# KiCad board modulo_sensor-panel.kicad_pcb
title: (Panel)
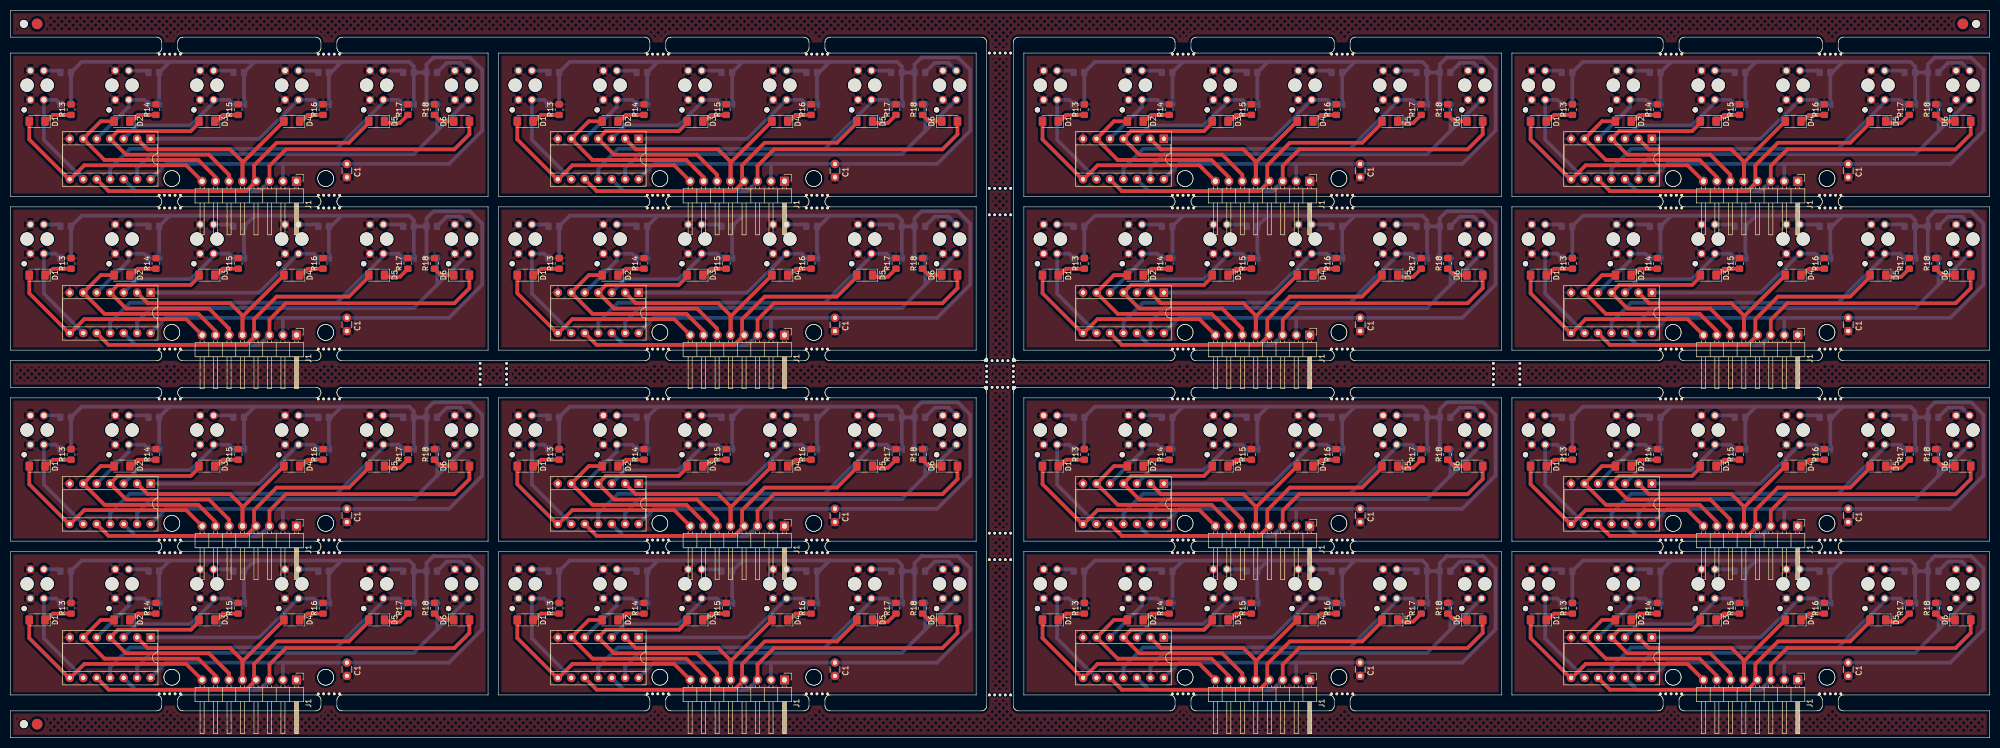
[diagram p0: board, top side]
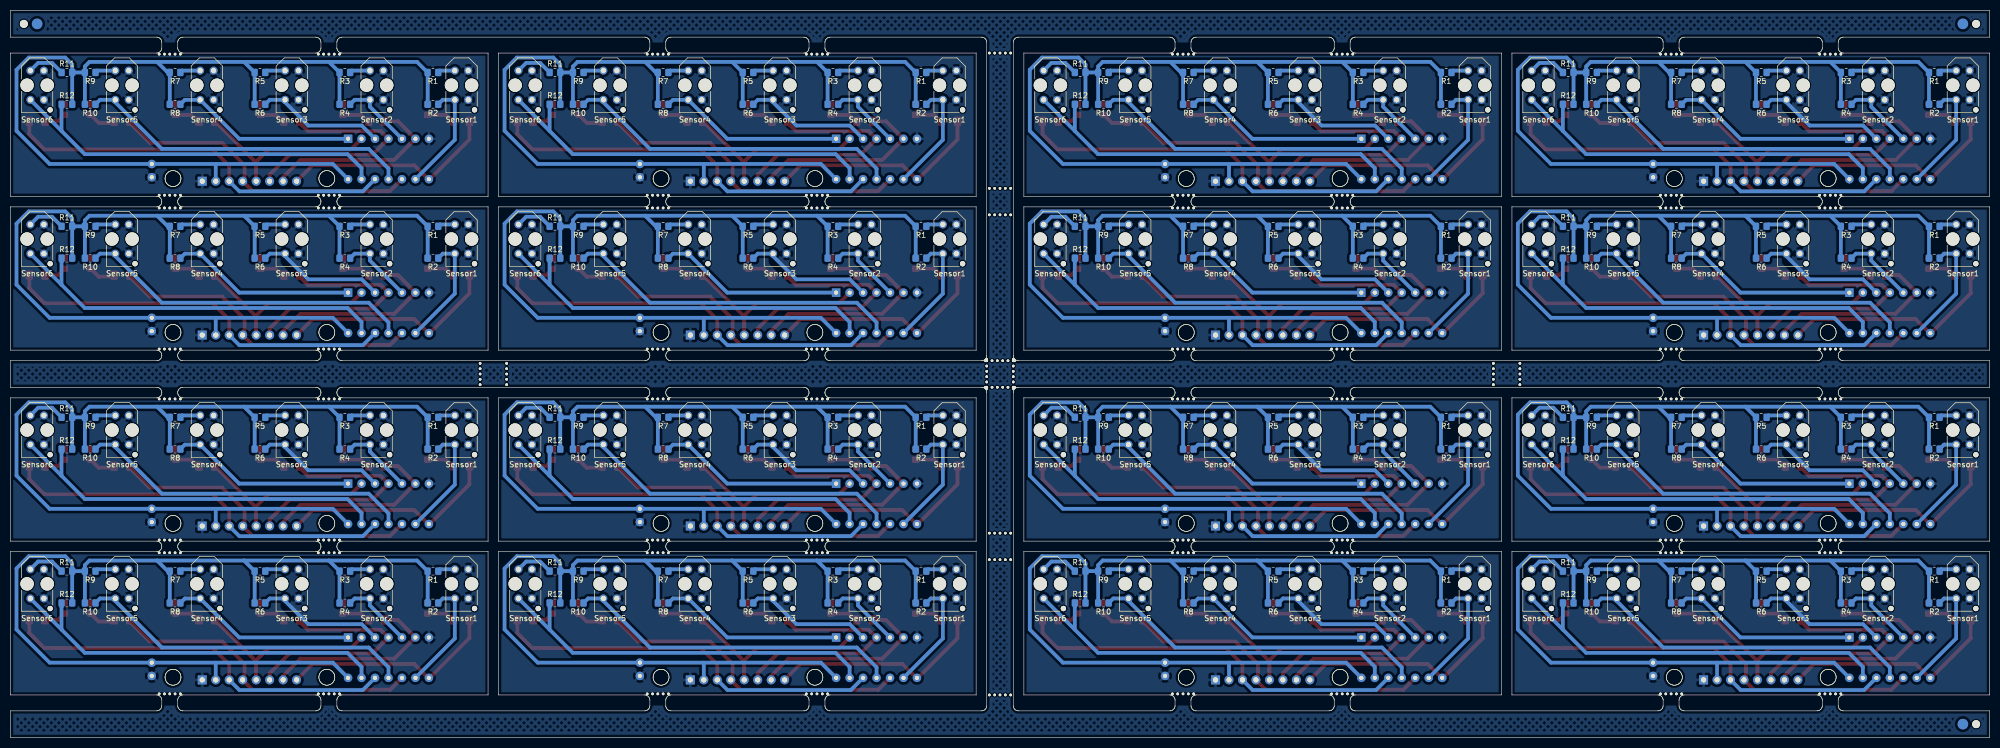
[diagram p1: board, bottom side, seen from below]

Outline 373 x 137 mm; copper layers: Top, Bottom. Coordinates in mm from the lower left corner of the outline.
Stack: Top 0.035mm / dielectric 1.51mm FR4 er 4.5 / Bottom 0.035mm

## Placement (name value [footprint] x y rotation side)
C1  10u1  [C_Disc_D3.0mm_W1.6mm_P2.50mm]  346.39 79.09 270 top
C1#2  10u1  [C_Disc_D3.0mm_W1.6mm_P2.50mm]  155.39 108.09 270 top
C1#3  10u1  [C_Disc_D3.0mm_W1.6mm_P2.50mm]  346.39 43.09 270 top
C1#4  10u1  [C_Disc_D3.0mm_W1.6mm_P2.50mm]  63.39 108.09 270 top
C1#5  10u1  [C_Disc_D3.0mm_W1.6mm_P2.50mm]  346.39 14.09 270 top
C1#6  10u1  [C_Disc_D3.0mm_W1.6mm_P2.50mm]  254.39 14.09 270 top
C1#7  10u1  [C_Disc_D3.0mm_W1.6mm_P2.50mm]  63.39 43.09 270 top
C1#8  10u1  [C_Disc_D3.0mm_W1.6mm_P2.50mm]  254.39 108.09 270 top
C1#9  10u1  [C_Disc_D3.0mm_W1.6mm_P2.50mm]  254.39 79.09 270 top
C1#10  10u1  [C_Disc_D3.0mm_W1.6mm_P2.50mm]  155.39 43.09 270 top
C1#11  10u1  [C_Disc_D3.0mm_W1.6mm_P2.50mm]  155.39 79.09 270 top
C1#12  10u1  [C_Disc_D3.0mm_W1.6mm_P2.50mm]  346.39 108.09 270 top
C1#13  10u1  [C_Disc_D3.0mm_W1.6mm_P2.50mm]  63.39 79.09 270 top
C1#14  10u1  [C_Disc_D3.0mm_W1.6mm_P2.50mm]  254.39 43.09 270 top
C1#15  10u1  [C_Disc_D3.0mm_W1.6mm_P2.50mm]  63.39 14.09 270 top
C1#16  10u1  [C_Disc_D3.0mm_W1.6mm_P2.50mm]  155.39 14.09 270 top
D1  LED  [LED_1206_3216Metric_Pad1.42x1.75mm_HandSolder]  288 87.14 180 top
D1#2  LED  [LED_1206_3216Metric_Pad1.42x1.75mm_HandSolder]  5 116.14 180 top
D1#3  LED  [LED_1206_3216Metric_Pad1.42x1.75mm_HandSolder]  97 87.14 180 top
D1#4  LED  [LED_1206_3216Metric_Pad1.42x1.75mm_HandSolder]  5 22.14 180 top
D1#5  LED  [LED_1206_3216Metric_Pad1.42x1.75mm_HandSolder]  97 22.14 180 top
D1#6  LED  [LED_1206_3216Metric_Pad1.42x1.75mm_HandSolder]  196 51.14 180 top
D1#7  LED  [LED_1206_3216Metric_Pad1.42x1.75mm_HandSolder]  5 51.14 180 top
D1#8  LED  [LED_1206_3216Metric_Pad1.42x1.75mm_HandSolder]  196 116.14 180 top
D1#9  LED  [LED_1206_3216Metric_Pad1.42x1.75mm_HandSolder]  97 116.14 180 top
D1#10  LED  [LED_1206_3216Metric_Pad1.42x1.75mm_HandSolder]  196 87.14 180 top
D1#11  LED  [LED_1206_3216Metric_Pad1.42x1.75mm_HandSolder]  97 51.14 180 top
D1#12  LED  [LED_1206_3216Metric_Pad1.42x1.75mm_HandSolder]  288 51.14 180 top
D1#13  LED  [LED_1206_3216Metric_Pad1.42x1.75mm_HandSolder]  196 22.14 180 top
D1#14  LED  [LED_1206_3216Metric_Pad1.42x1.75mm_HandSolder]  5 87.14 180 top
D1#15  LED  [LED_1206_3216Metric_Pad1.42x1.75mm_HandSolder]  288 22.14 180 top
D1#16  LED  [LED_1206_3216Metric_Pad1.42x1.75mm_HandSolder]  288 116.14 180 top
D2  LED  [LED_1206_3216Metric_Pad1.42x1.75mm_HandSolder]  304 22.14 180 top
D2#2  LED  [LED_1206_3216Metric_Pad1.42x1.75mm_HandSolder]  212 87.14 180 top
D2#3  LED  [LED_1206_3216Metric_Pad1.42x1.75mm_HandSolder]  113 87.14 180 top
D2#4  LED  [LED_1206_3216Metric_Pad1.42x1.75mm_HandSolder]  21 22.14 180 top
D2#5  LED  [LED_1206_3216Metric_Pad1.42x1.75mm_HandSolder]  212 116.14 180 top
D2#6  LED  [LED_1206_3216Metric_Pad1.42x1.75mm_HandSolder]  304 87.14 180 top
D2#7  LED  [LED_1206_3216Metric_Pad1.42x1.75mm_HandSolder]  212 51.14 180 top
D2#8  LED  [LED_1206_3216Metric_Pad1.42x1.75mm_HandSolder]  21 51.14 180 top
D2#9  LED  [LED_1206_3216Metric_Pad1.42x1.75mm_HandSolder]  212 22.14 180 top
D2#10  LED  [LED_1206_3216Metric_Pad1.42x1.75mm_HandSolder]  21 87.14 180 top
D2#11  LED  [LED_1206_3216Metric_Pad1.42x1.75mm_HandSolder]  304 116.14 180 top
D2#12  LED  [LED_1206_3216Metric_Pad1.42x1.75mm_HandSolder]  21 116.14 180 top
D2#13  LED  [LED_1206_3216Metric_Pad1.42x1.75mm_HandSolder]  113 22.14 180 top
D2#14  LED  [LED_1206_3216Metric_Pad1.42x1.75mm_HandSolder]  113 51.14 180 top
D2#15  LED  [LED_1206_3216Metric_Pad1.42x1.75mm_HandSolder]  113 116.14 180 top
D2#16  LED  [LED_1206_3216Metric_Pad1.42x1.75mm_HandSolder]  304 51.14 180 top
D3  LED  [LED_1206_3216Metric_Pad1.42x1.75mm_HandSolder]  37 22.14 180 top
D3#2  LED  [LED_1206_3216Metric_Pad1.42x1.75mm_HandSolder]  228 22.14 180 top
D3#3  LED  [LED_1206_3216Metric_Pad1.42x1.75mm_HandSolder]  37 116.14 180 top
D3#4  LED  [LED_1206_3216Metric_Pad1.42x1.75mm_HandSolder]  37 51.14 180 top
D3#5  LED  [LED_1206_3216Metric_Pad1.42x1.75mm_HandSolder]  37 87.14 180 top
D3#6  LED  [LED_1206_3216Metric_Pad1.42x1.75mm_HandSolder]  320 116.14 180 top
D3#7  LED  [LED_1206_3216Metric_Pad1.42x1.75mm_HandSolder]  228 87.14 180 top
D3#8  LED  [LED_1206_3216Metric_Pad1.42x1.75mm_HandSolder]  320 51.14 180 top
D3#9  LED  [LED_1206_3216Metric_Pad1.42x1.75mm_HandSolder]  320 22.14 180 top
D3#10  LED  [LED_1206_3216Metric_Pad1.42x1.75mm_HandSolder]  129 22.14 180 top
D3#11  LED  [LED_1206_3216Metric_Pad1.42x1.75mm_HandSolder]  129 87.14 180 top
D3#12  LED  [LED_1206_3216Metric_Pad1.42x1.75mm_HandSolder]  129 51.14 180 top
D3#13  LED  [LED_1206_3216Metric_Pad1.42x1.75mm_HandSolder]  228 116.14 180 top
D3#14  LED  [LED_1206_3216Metric_Pad1.42x1.75mm_HandSolder]  320 87.14 180 top
D3#15  LED  [LED_1206_3216Metric_Pad1.42x1.75mm_HandSolder]  228 51.14 180 top
D3#16  LED  [LED_1206_3216Metric_Pad1.42x1.75mm_HandSolder]  129 116.14 180 top
D4  LED  [LED_1206_3216Metric_Pad1.42x1.75mm_HandSolder]  336 116.14 180 top
D4#2  LED  [LED_1206_3216Metric_Pad1.42x1.75mm_HandSolder]  53 51.14 180 top
D4#3  LED  [LED_1206_3216Metric_Pad1.42x1.75mm_HandSolder]  244 87.14 180 top
D4#4  LED  [LED_1206_3216Metric_Pad1.42x1.75mm_HandSolder]  244 22.14 180 top
D4#5  LED  [LED_1206_3216Metric_Pad1.42x1.75mm_HandSolder]  53 116.14 180 top
D4#6  LED  [LED_1206_3216Metric_Pad1.42x1.75mm_HandSolder]  145 116.14 180 top
D4#7  LED  [LED_1206_3216Metric_Pad1.42x1.75mm_HandSolder]  145 87.14 180 top
D4#8  LED  [LED_1206_3216Metric_Pad1.42x1.75mm_HandSolder]  336 51.14 180 top
D4#9  LED  [LED_1206_3216Metric_Pad1.42x1.75mm_HandSolder]  145 22.14 180 top
D4#10  LED  [LED_1206_3216Metric_Pad1.42x1.75mm_HandSolder]  336 87.14 180 top
D4#11  LED  [LED_1206_3216Metric_Pad1.42x1.75mm_HandSolder]  336 22.14 180 top
D4#12  LED  [LED_1206_3216Metric_Pad1.42x1.75mm_HandSolder]  53 22.14 180 top
D4#13  LED  [LED_1206_3216Metric_Pad1.42x1.75mm_HandSolder]  244 51.14 180 top
D4#14  LED  [LED_1206_3216Metric_Pad1.42x1.75mm_HandSolder]  53 87.14 180 top
D4#15  LED  [LED_1206_3216Metric_Pad1.42x1.75mm_HandSolder]  244 116.14 180 top
D4#16  LED  [LED_1206_3216Metric_Pad1.42x1.75mm_HandSolder]  145 51.14 180 top
D5  LED  [LED_1206_3216Metric_Pad1.42x1.75mm_HandSolder]  161 51.14 180 top
D5#2  LED  [LED_1206_3216Metric_Pad1.42x1.75mm_HandSolder]  161 22.14 180 top
D5#3  LED  [LED_1206_3216Metric_Pad1.42x1.75mm_HandSolder]  260 116.14 180 top
D5#4  LED  [LED_1206_3216Metric_Pad1.42x1.75mm_HandSolder]  260 22.14 180 top
D5#5  LED  [LED_1206_3216Metric_Pad1.42x1.75mm_HandSolder]  352 87.14 180 top
D5#6  LED  [LED_1206_3216Metric_Pad1.42x1.75mm_HandSolder]  352 51.14 180 top
D5#7  LED  [LED_1206_3216Metric_Pad1.42x1.75mm_HandSolder]  352 116.14 180 top
D5#8  LED  [LED_1206_3216Metric_Pad1.42x1.75mm_HandSolder]  161 116.14 180 top
D5#9  LED  [LED_1206_3216Metric_Pad1.42x1.75mm_HandSolder]  69 116.14 180 top
D5#10  LED  [LED_1206_3216Metric_Pad1.42x1.75mm_HandSolder]  260 87.14 180 top
D5#11  LED  [LED_1206_3216Metric_Pad1.42x1.75mm_HandSolder]  260 51.14 180 top
D5#12  LED  [LED_1206_3216Metric_Pad1.42x1.75mm_HandSolder]  69 87.14 180 top
D5#13  LED  [LED_1206_3216Metric_Pad1.42x1.75mm_HandSolder]  69 22.14 180 top
D5#14  LED  [LED_1206_3216Metric_Pad1.42x1.75mm_HandSolder]  69 51.14 180 top
D5#15  LED  [LED_1206_3216Metric_Pad1.42x1.75mm_HandSolder]  161 87.14 180 top
D5#16  LED  [LED_1206_3216Metric_Pad1.42x1.75mm_HandSolder]  352 22.14 180 top
D6  LED  [LED_1206_3216Metric_Pad1.42x1.75mm_HandSolder]  177 87.14 0 top
D6#2  LED  [LED_1206_3216Metric_Pad1.42x1.75mm_HandSolder]  276 87.14 0 top
D6#3  LED  [LED_1206_3216Metric_Pad1.42x1.75mm_HandSolder]  85 116.14 0 top
D6#4  LED  [LED_1206_3216Metric_Pad1.42x1.75mm_HandSolder]  368 87.14 0 top
D6#5  LED  [LED_1206_3216Metric_Pad1.42x1.75mm_HandSolder]  85 87.14 0 top
D6#6  LED  [LED_1206_3216Metric_Pad1.42x1.75mm_HandSolder]  177 116.14 0 top
D6#7  LED  [LED_1206_3216Metric_Pad1.42x1.75mm_HandSolder]  177 51.14 0 top
D6#8  LED  [LED_1206_3216Metric_Pad1.42x1.75mm_HandSolder]  368 116.14 0 top
D6#9  LED  [LED_1206_3216Metric_Pad1.42x1.75mm_HandSolder]  177 22.14 0 top
D6#10  LED  [LED_1206_3216Metric_Pad1.42x1.75mm_HandSolder]  276 22.14 0 top
D6#11  LED  [LED_1206_3216Metric_Pad1.42x1.75mm_HandSolder]  85 51.14 0 top
D6#12  LED  [LED_1206_3216Metric_Pad1.42x1.75mm_HandSolder]  276 116.14 0 top
D6#13  LED  [LED_1206_3216Metric_Pad1.42x1.75mm_HandSolder]  368 51.14 0 top
D6#14  LED  [LED_1206_3216Metric_Pad1.42x1.75mm_HandSolder]  85 22.14 0 top
D6#15  LED  [LED_1206_3216Metric_Pad1.42x1.75mm_HandSolder]  276 51.14 0 top
D6#16  LED  [LED_1206_3216Metric_Pad1.42x1.75mm_HandSolder]  368 22.14 0 top
J1  Conn_01x08_Pin  [PinHeader_1x08_P2.54mm_Horizontal]  244.88 39.84 270 top
J1#2  Conn_01x08_Pin  [PinHeader_1x08_P2.54mm_Horizontal]  53.88 75.84 270 top
J1#3  Conn_01x08_Pin  [PinHeader_1x08_P2.54mm_Horizontal]  145.88 39.84 270 top
J1#4  Conn_01x08_Pin  [PinHeader_1x08_P2.54mm_Horizontal]  145.88 10.84 270 top
J1#5  Conn_01x08_Pin  [PinHeader_1x08_P2.54mm_Horizontal]  244.88 75.84 270 top
J1#6  Conn_01x08_Pin  [PinHeader_1x08_P2.54mm_Horizontal]  145.88 104.84 270 top
J1#7  Conn_01x08_Pin  [PinHeader_1x08_P2.54mm_Horizontal]  244.88 10.84 270 top
J1#8  Conn_01x08_Pin  [PinHeader_1x08_P2.54mm_Horizontal]  53.88 39.84 270 top
J1#9  Conn_01x08_Pin  [PinHeader_1x08_P2.54mm_Horizontal]  336.88 75.84 270 top
J1#10  Conn_01x08_Pin  [PinHeader_1x08_P2.54mm_Horizontal]  145.88 75.84 270 top
J1#11  Conn_01x08_Pin  [PinHeader_1x08_P2.54mm_Horizontal]  336.88 10.84 270 top
J1#12  Conn_01x08_Pin  [PinHeader_1x08_P2.54mm_Horizontal]  53.88 104.84 270 top
J1#13  Conn_01x08_Pin  [PinHeader_1x08_P2.54mm_Horizontal]  336.88 39.84 270 top
J1#14  Conn_01x08_Pin  [PinHeader_1x08_P2.54mm_Horizontal]  336.88 104.84 270 top
J1#15  Conn_01x08_Pin  [PinHeader_1x08_P2.54mm_Horizontal]  244.88 104.84 270 top
J1#16  Conn_01x08_Pin  [PinHeader_1x08_P2.54mm_Horizontal]  53.88 10.84 270 top
KiKit_FID_B_1  -  [Fiducial]  5 134.5 180 bottom
KiKit_FID_B_2  -  [Fiducial]  368 134.5 180 bottom
KiKit_FID_B_3  -  [Fiducial]  5 2.5 180 bottom
KiKit_FID_T_1  -  [Fiducial]  5 134.5 0 top
KiKit_FID_T_2  -  [Fiducial]  368 134.5 0 top
KiKit_FID_T_3  -  [Fiducial]  5 2.5 0 top
KiKit_MB_1_1  -  [NPTH]  28 128.8 0 top
KiKit_MB_1_2  -  [NPTH]  29 128.8 0 top
KiKit_MB_1_3  -  [NPTH]  30 128.8 0 top
KiKit_MB_1_4  -  [NPTH]  31 128.8 0 top
KiKit_MB_1_5  -  [NPTH]  32 128.8 0 top
KiKit_MB_2_1  -  [NPTH]  58 128.8 0 top
KiKit_MB_2_2  -  [NPTH]  59 128.8 0 top
KiKit_MB_2_3  -  [NPTH]  60 128.8 0 top
KiKit_MB_2_4  -  [NPTH]  61 128.8 0 top
KiKit_MB_2_5  -  [NPTH]  62 128.8 0 top
KiKit_MB_3_1  -  [NPTH]  32 102.2 0 top
KiKit_MB_3_2  -  [NPTH]  31 102.2 0 top
KiKit_MB_3_3  -  [NPTH]  30 102.2 0 top
KiKit_MB_3_4  -  [NPTH]  29 102.2 0 top
KiKit_MB_3_5  -  [NPTH]  28 102.2 0 top
KiKit_MB_4_1  -  [NPTH]  62 102.2 0 top
KiKit_MB_4_2  -  [NPTH]  61 102.2 0 top
KiKit_MB_4_3  -  [NPTH]  60 102.2 0 top
KiKit_MB_4_4  -  [NPTH]  59 102.2 0 top
KiKit_MB_4_5  -  [NPTH]  58 102.2 0 top
KiKit_MB_5_1  -  [NPTH]  120 128.8 0 top
KiKit_MB_5_2  -  [NPTH]  121 128.8 0 top
KiKit_MB_5_3  -  [NPTH]  122 128.8 0 top
KiKit_MB_5_4  -  [NPTH]  123 128.8 0 top
KiKit_MB_5_5  -  [NPTH]  124 128.8 0 top
KiKit_MB_6_1  -  [NPTH]  150 128.8 0 top
KiKit_MB_6_2  -  [NPTH]  151 128.8 0 top
KiKit_MB_6_3  -  [NPTH]  152 128.8 0 top
KiKit_MB_6_4  -  [NPTH]  153 128.8 0 top
KiKit_MB_6_5  -  [NPTH]  154 128.8 0 top
KiKit_MB_7_1  -  [NPTH]  124 102.2 0 top
KiKit_MB_7_2  -  [NPTH]  123 102.2 0 top
KiKit_MB_7_3  -  [NPTH]  122 102.2 0 top
KiKit_MB_7_4  -  [NPTH]  121 102.2 0 top
KiKit_MB_7_5  -  [NPTH]  120 102.2 0 top
KiKit_MB_8_1  -  [NPTH]  154 102.2 0 top
KiKit_MB_8_2  -  [NPTH]  153 102.2 0 top
KiKit_MB_8_3  -  [NPTH]  152 102.2 0 top
KiKit_MB_8_4  -  [NPTH]  151 102.2 0 top
KiKit_MB_8_5  -  [NPTH]  150 102.2 0 top
KiKit_MB_9_1  -  [NPTH]  219 128.8 0 top
KiKit_MB_9_2  -  [NPTH]  220 128.8 0 top
KiKit_MB_9_3  -  [NPTH]  221 128.8 0 top
KiKit_MB_9_4  -  [NPTH]  222 128.8 0 top
KiKit_MB_9_5  -  [NPTH]  223 128.8 0 top
KiKit_MB_10_1  -  [NPTH]  249 128.8 0 top
KiKit_MB_10_2  -  [NPTH]  250 128.8 0 top
KiKit_MB_10_3  -  [NPTH]  251 128.8 0 top
KiKit_MB_10_4  -  [NPTH]  252 128.8 0 top
KiKit_MB_10_5  -  [NPTH]  253 128.8 0 top
KiKit_MB_11_1  -  [NPTH]  223 102.2 0 top
KiKit_MB_11_2  -  [NPTH]  222 102.2 0 top
KiKit_MB_11_3  -  [NPTH]  221 102.2 0 top
KiKit_MB_11_4  -  [NPTH]  220 102.2 0 top
KiKit_MB_11_5  -  [NPTH]  219 102.2 0 top
KiKit_MB_12_1  -  [NPTH]  253 102.2 0 top
KiKit_MB_12_2  -  [NPTH]  252 102.2 0 top
KiKit_MB_12_3  -  [NPTH]  251 102.2 0 top
KiKit_MB_12_4  -  [NPTH]  250 102.2 0 top
KiKit_MB_12_5  -  [NPTH]  249 102.2 0 top
KiKit_MB_13_1  -  [NPTH]  311 128.8 0 top
KiKit_MB_13_2  -  [NPTH]  312 128.8 0 top
KiKit_MB_13_3  -  [NPTH]  313 128.8 0 top
KiKit_MB_13_4  -  [NPTH]  314 128.8 0 top
KiKit_MB_13_5  -  [NPTH]  315 128.8 0 top
KiKit_MB_14_1  -  [NPTH]  341 128.8 0 top
KiKit_MB_14_2  -  [NPTH]  342 128.8 0 top
KiKit_MB_14_3  -  [NPTH]  343 128.8 0 top
KiKit_MB_14_4  -  [NPTH]  344 128.8 0 top
KiKit_MB_14_5  -  [NPTH]  345 128.8 0 top
KiKit_MB_15_1  -  [NPTH]  315 102.2 0 top
KiKit_MB_15_2  -  [NPTH]  314 102.2 0 top
KiKit_MB_15_3  -  [NPTH]  313 102.2 0 top
KiKit_MB_15_4  -  [NPTH]  312 102.2 0 top
KiKit_MB_15_5  -  [NPTH]  311 102.2 0 top
KiKit_MB_16_1  -  [NPTH]  345 102.2 0 top
KiKit_MB_16_2  -  [NPTH]  344 102.2 0 top
KiKit_MB_16_3  -  [NPTH]  343 102.2 0 top
KiKit_MB_16_4  -  [NPTH]  342 102.2 0 top
KiKit_MB_16_5  -  [NPTH]  341 102.2 0 top
KiKit_MB_17_1  -  [NPTH]  28 99.8 0 top
KiKit_MB_17_2  -  [NPTH]  29 99.8 0 top
KiKit_MB_17_3  -  [NPTH]  30 99.8 0 top
KiKit_MB_17_4  -  [NPTH]  31 99.8 0 top
KiKit_MB_17_5  -  [NPTH]  32 99.8 0 top
KiKit_MB_18_1  -  [NPTH]  58 99.8 0 top
KiKit_MB_18_2  -  [NPTH]  59 99.8 0 top
KiKit_MB_18_3  -  [NPTH]  60 99.8 0 top
KiKit_MB_18_4  -  [NPTH]  61 99.8 0 top
KiKit_MB_18_5  -  [NPTH]  62 99.8 0 top
KiKit_MB_19_1  -  [NPTH]  32 73.2 0 top
KiKit_MB_19_2  -  [NPTH]  31 73.2 0 top
KiKit_MB_19_3  -  [NPTH]  30 73.2 0 top
KiKit_MB_19_4  -  [NPTH]  29 73.2 0 top
KiKit_MB_19_5  -  [NPTH]  28 73.2 0 top
KiKit_MB_20_1  -  [NPTH]  62 73.2 0 top
KiKit_MB_20_2  -  [NPTH]  61 73.2 0 top
KiKit_MB_20_3  -  [NPTH]  60 73.2 0 top
KiKit_MB_20_4  -  [NPTH]  59 73.2 0 top
KiKit_MB_20_5  -  [NPTH]  58 73.2 0 top
KiKit_MB_21_1  -  [NPTH]  120 99.8 0 top
KiKit_MB_21_2  -  [NPTH]  121 99.8 0 top
KiKit_MB_21_3  -  [NPTH]  122 99.8 0 top
KiKit_MB_21_4  -  [NPTH]  123 99.8 0 top
KiKit_MB_21_5  -  [NPTH]  124 99.8 0 top
KiKit_MB_22_1  -  [NPTH]  150 99.8 0 top
KiKit_MB_22_2  -  [NPTH]  151 99.8 0 top
KiKit_MB_22_3  -  [NPTH]  152 99.8 0 top
KiKit_MB_22_4  -  [NPTH]  153 99.8 0 top
KiKit_MB_22_5  -  [NPTH]  154 99.8 0 top
KiKit_MB_23_1  -  [NPTH]  124 73.2 0 top
KiKit_MB_23_2  -  [NPTH]  123 73.2 0 top
KiKit_MB_23_3  -  [NPTH]  122 73.2 0 top
KiKit_MB_23_4  -  [NPTH]  121 73.2 0 top
KiKit_MB_23_5  -  [NPTH]  120 73.2 0 top
KiKit_MB_24_1  -  [NPTH]  154 73.2 0 top
KiKit_MB_24_2  -  [NPTH]  153 73.2 0 top
KiKit_MB_24_3  -  [NPTH]  152 73.2 0 top
KiKit_MB_24_4  -  [NPTH]  151 73.2 0 top
KiKit_MB_24_5  -  [NPTH]  150 73.2 0 top
KiKit_MB_25_1  -  [NPTH]  219 99.8 0 top
KiKit_MB_25_2  -  [NPTH]  220 99.8 0 top
KiKit_MB_25_3  -  [NPTH]  221 99.8 0 top
KiKit_MB_25_4  -  [NPTH]  222 99.8 0 top
KiKit_MB_25_5  -  [NPTH]  223 99.8 0 top
KiKit_MB_26_1  -  [NPTH]  249 99.8 0 top
KiKit_MB_26_2  -  [NPTH]  250 99.8 0 top
KiKit_MB_26_3  -  [NPTH]  251 99.8 0 top
KiKit_MB_26_4  -  [NPTH]  252 99.8 0 top
KiKit_MB_26_5  -  [NPTH]  253 99.8 0 top
KiKit_MB_27_1  -  [NPTH]  223 73.2 0 top
KiKit_MB_27_2  -  [NPTH]  222 73.2 0 top
KiKit_MB_27_3  -  [NPTH]  221 73.2 0 top
KiKit_MB_27_4  -  [NPTH]  220 73.2 0 top
KiKit_MB_27_5  -  [NPTH]  219 73.2 0 top
KiKit_MB_28_1  -  [NPTH]  253 73.2 0 top
KiKit_MB_28_2  -  [NPTH]  252 73.2 0 top
KiKit_MB_28_3  -  [NPTH]  251 73.2 0 top
KiKit_MB_28_4  -  [NPTH]  250 73.2 0 top
KiKit_MB_28_5  -  [NPTH]  249 73.2 0 top
KiKit_MB_29_1  -  [NPTH]  311 99.8 0 top
KiKit_MB_29_2  -  [NPTH]  312 99.8 0 top
KiKit_MB_29_3  -  [NPTH]  313 99.8 0 top
KiKit_MB_29_4  -  [NPTH]  314 99.8 0 top
KiKit_MB_29_5  -  [NPTH]  315 99.8 0 top
KiKit_MB_30_1  -  [NPTH]  341 99.8 0 top
KiKit_MB_30_2  -  [NPTH]  342 99.8 0 top
KiKit_MB_30_3  -  [NPTH]  343 99.8 0 top
KiKit_MB_30_4  -  [NPTH]  344 99.8 0 top
KiKit_MB_30_5  -  [NPTH]  345 99.8 0 top
KiKit_MB_31_1  -  [NPTH]  315 73.2 0 top
KiKit_MB_31_2  -  [NPTH]  314 73.2 0 top
KiKit_MB_31_3  -  [NPTH]  313 73.2 0 top
KiKit_MB_31_4  -  [NPTH]  312 73.2 0 top
KiKit_MB_31_5  -  [NPTH]  311 73.2 0 top
KiKit_MB_32_1  -  [NPTH]  345 73.2 0 top
KiKit_MB_32_2  -  [NPTH]  344 73.2 0 top
KiKit_MB_32_3  -  [NPTH]  343 73.2 0 top
KiKit_MB_32_4  -  [NPTH]  342 73.2 0 top
KiKit_MB_32_5  -  [NPTH]  341 73.2 0 top
KiKit_MB_33_1  -  [NPTH]  28 63.8 0 top
KiKit_MB_33_2  -  [NPTH]  29 63.8 0 top
KiKit_MB_33_3  -  [NPTH]  30 63.8 0 top
KiKit_MB_33_4  -  [NPTH]  31 63.8 0 top
KiKit_MB_33_5  -  [NPTH]  32 63.8 0 top
KiKit_MB_34_1  -  [NPTH]  58 63.8 0 top
KiKit_MB_34_2  -  [NPTH]  59 63.8 0 top
KiKit_MB_34_3  -  [NPTH]  60 63.8 0 top
KiKit_MB_34_4  -  [NPTH]  61 63.8 0 top
KiKit_MB_34_5  -  [NPTH]  62 63.8 0 top
KiKit_MB_35_1  -  [NPTH]  32 37.2 0 top
KiKit_MB_35_2  -  [NPTH]  31 37.2 0 top
KiKit_MB_35_3  -  [NPTH]  30 37.2 0 top
KiKit_MB_35_4  -  [NPTH]  29 37.2 0 top
KiKit_MB_35_5  -  [NPTH]  28 37.2 0 top
KiKit_MB_36_1  -  [NPTH]  62 37.2 0 top
KiKit_MB_36_2  -  [NPTH]  61 37.2 0 top
KiKit_MB_36_3  -  [NPTH]  60 37.2 0 top
KiKit_MB_36_4  -  [NPTH]  59 37.2 0 top
KiKit_MB_36_5  -  [NPTH]  58 37.2 0 top
KiKit_MB_37_1  -  [NPTH]  120 63.8 0 top
KiKit_MB_37_2  -  [NPTH]  121 63.8 0 top
KiKit_MB_37_3  -  [NPTH]  122 63.8 0 top
KiKit_MB_37_4  -  [NPTH]  123 63.8 0 top
KiKit_MB_37_5  -  [NPTH]  124 63.8 0 top
KiKit_MB_38_1  -  [NPTH]  150 63.8 0 top
KiKit_MB_38_2  -  [NPTH]  151 63.8 0 top
KiKit_MB_38_3  -  [NPTH]  152 63.8 0 top
KiKit_MB_38_4  -  [NPTH]  153 63.8 0 top
KiKit_MB_38_5  -  [NPTH]  154 63.8 0 top
KiKit_MB_39_1  -  [NPTH]  124 37.2 0 top
KiKit_MB_39_2  -  [NPTH]  123 37.2 0 top
KiKit_MB_39_3  -  [NPTH]  122 37.2 0 top
KiKit_MB_39_4  -  [NPTH]  121 37.2 0 top
KiKit_MB_39_5  -  [NPTH]  120 37.2 0 top
KiKit_MB_40_1  -  [NPTH]  154 37.2 0 top
KiKit_MB_40_2  -  [NPTH]  153 37.2 0 top
KiKit_MB_40_3  -  [NPTH]  152 37.2 0 top
KiKit_MB_40_4  -  [NPTH]  151 37.2 0 top
KiKit_MB_40_5  -  [NPTH]  150 37.2 0 top
KiKit_MB_41_1  -  [NPTH]  219 63.8 0 top
KiKit_MB_41_2  -  [NPTH]  220 63.8 0 top
KiKit_MB_41_3  -  [NPTH]  221 63.8 0 top
KiKit_MB_41_4  -  [NPTH]  222 63.8 0 top
KiKit_MB_41_5  -  [NPTH]  223 63.8 0 top
KiKit_MB_42_1  -  [NPTH]  249 63.8 0 top
KiKit_MB_42_2  -  [NPTH]  250 63.8 0 top
KiKit_MB_42_3  -  [NPTH]  251 63.8 0 top
KiKit_MB_42_4  -  [NPTH]  252 63.8 0 top
KiKit_MB_42_5  -  [NPTH]  253 63.8 0 top
KiKit_MB_43_1  -  [NPTH]  223 37.2 0 top
KiKit_MB_43_2  -  [NPTH]  222 37.2 0 top
KiKit_MB_43_3  -  [NPTH]  221 37.2 0 top
KiKit_MB_43_4  -  [NPTH]  220 37.2 0 top
KiKit_MB_43_5  -  [NPTH]  219 37.2 0 top
KiKit_MB_44_1  -  [NPTH]  253 37.2 0 top
KiKit_MB_44_2  -  [NPTH]  252 37.2 0 top
KiKit_MB_44_3  -  [NPTH]  251 37.2 0 top
KiKit_MB_44_4  -  [NPTH]  250 37.2 0 top
KiKit_MB_44_5  -  [NPTH]  249 37.2 0 top
KiKit_MB_45_1  -  [NPTH]  311 63.8 0 top
KiKit_MB_45_2  -  [NPTH]  312 63.8 0 top
KiKit_MB_45_3  -  [NPTH]  313 63.8 0 top
KiKit_MB_45_4  -  [NPTH]  314 63.8 0 top
KiKit_MB_45_5  -  [NPTH]  315 63.8 0 top
KiKit_MB_46_1  -  [NPTH]  341 63.8 0 top
KiKit_MB_46_2  -  [NPTH]  342 63.8 0 top
KiKit_MB_46_3  -  [NPTH]  343 63.8 0 top
KiKit_MB_46_4  -  [NPTH]  344 63.8 0 top
KiKit_MB_46_5  -  [NPTH]  345 63.8 0 top
KiKit_MB_47_1  -  [NPTH]  315 37.2 0 top
KiKit_MB_47_2  -  [NPTH]  314 37.2 0 top
KiKit_MB_47_3  -  [NPTH]  313 37.2 0 top
KiKit_MB_47_4  -  [NPTH]  312 37.2 0 top
KiKit_MB_47_5  -  [NPTH]  311 37.2 0 top
KiKit_MB_48_1  -  [NPTH]  345 37.2 0 top
KiKit_MB_48_2  -  [NPTH]  344 37.2 0 top
KiKit_MB_48_3  -  [NPTH]  343 37.2 0 top
KiKit_MB_48_4  -  [NPTH]  342 37.2 0 top
KiKit_MB_48_5  -  [NPTH]  341 37.2 0 top
KiKit_MB_49_1  -  [NPTH]  28 34.8 0 top
KiKit_MB_49_2  -  [NPTH]  29 34.8 0 top
KiKit_MB_49_3  -  [NPTH]  30 34.8 0 top
KiKit_MB_49_4  -  [NPTH]  31 34.8 0 top
KiKit_MB_49_5  -  [NPTH]  32 34.8 0 top
KiKit_MB_50_1  -  [NPTH]  58 34.8 0 top
KiKit_MB_50_2  -  [NPTH]  59 34.8 0 top
KiKit_MB_50_3  -  [NPTH]  60 34.8 0 top
KiKit_MB_50_4  -  [NPTH]  61 34.8 0 top
KiKit_MB_50_5  -  [NPTH]  62 34.8 0 top
KiKit_MB_51_1  -  [NPTH]  32 8.2 0 top
KiKit_MB_51_2  -  [NPTH]  31 8.2 0 top
KiKit_MB_51_3  -  [NPTH]  30 8.2 0 top
KiKit_MB_51_4  -  [NPTH]  29 8.2 0 top
KiKit_MB_51_5  -  [NPTH]  28 8.2 0 top
KiKit_MB_52_1  -  [NPTH]  62 8.2 0 top
KiKit_MB_52_2  -  [NPTH]  61 8.2 0 top
KiKit_MB_52_3  -  [NPTH]  60 8.2 0 top
KiKit_MB_52_4  -  [NPTH]  59 8.2 0 top
KiKit_MB_52_5  -  [NPTH]  58 8.2 0 top
KiKit_MB_53_1  -  [NPTH]  120 34.8 0 top
KiKit_MB_53_2  -  [NPTH]  121 34.8 0 top
KiKit_MB_53_3  -  [NPTH]  122 34.8 0 top
KiKit_MB_53_4  -  [NPTH]  123 34.8 0 top
KiKit_MB_53_5  -  [NPTH]  124 34.8 0 top
KiKit_MB_54_1  -  [NPTH]  150 34.8 0 top
KiKit_MB_54_2  -  [NPTH]  151 34.8 0 top
KiKit_MB_54_3  -  [NPTH]  152 34.8 0 top
KiKit_MB_54_4  -  [NPTH]  153 34.8 0 top
KiKit_MB_54_5  -  [NPTH]  154 34.8 0 top
KiKit_MB_55_1  -  [NPTH]  124 8.2 0 top
KiKit_MB_55_2  -  [NPTH]  123 8.2 0 top
KiKit_MB_55_3  -  [NPTH]  122 8.2 0 top
KiKit_MB_55_4  -  [NPTH]  121 8.2 0 top
KiKit_MB_55_5  -  [NPTH]  120 8.2 0 top
KiKit_MB_56_1  -  [NPTH]  154 8.2 0 top
KiKit_MB_56_2  -  [NPTH]  153 8.2 0 top
KiKit_MB_56_3  -  [NPTH]  152 8.2 0 top
KiKit_MB_56_4  -  [NPTH]  151 8.2 0 top
KiKit_MB_56_5  -  [NPTH]  150 8.2 0 top
KiKit_MB_57_1  -  [NPTH]  219 34.8 0 top
KiKit_MB_57_2  -  [NPTH]  220 34.8 0 top
KiKit_MB_57_3  -  [NPTH]  221 34.8 0 top
KiKit_MB_57_4  -  [NPTH]  222 34.8 0 top
KiKit_MB_57_5  -  [NPTH]  223 34.8 0 top
KiKit_MB_58_1  -  [NPTH]  249 34.8 0 top
KiKit_MB_58_2  -  [NPTH]  250 34.8 0 top
KiKit_MB_58_3  -  [NPTH]  251 34.8 0 top